# Altium PCB top_INA_v2.PcbDoc (part 1 of 4) (continued)
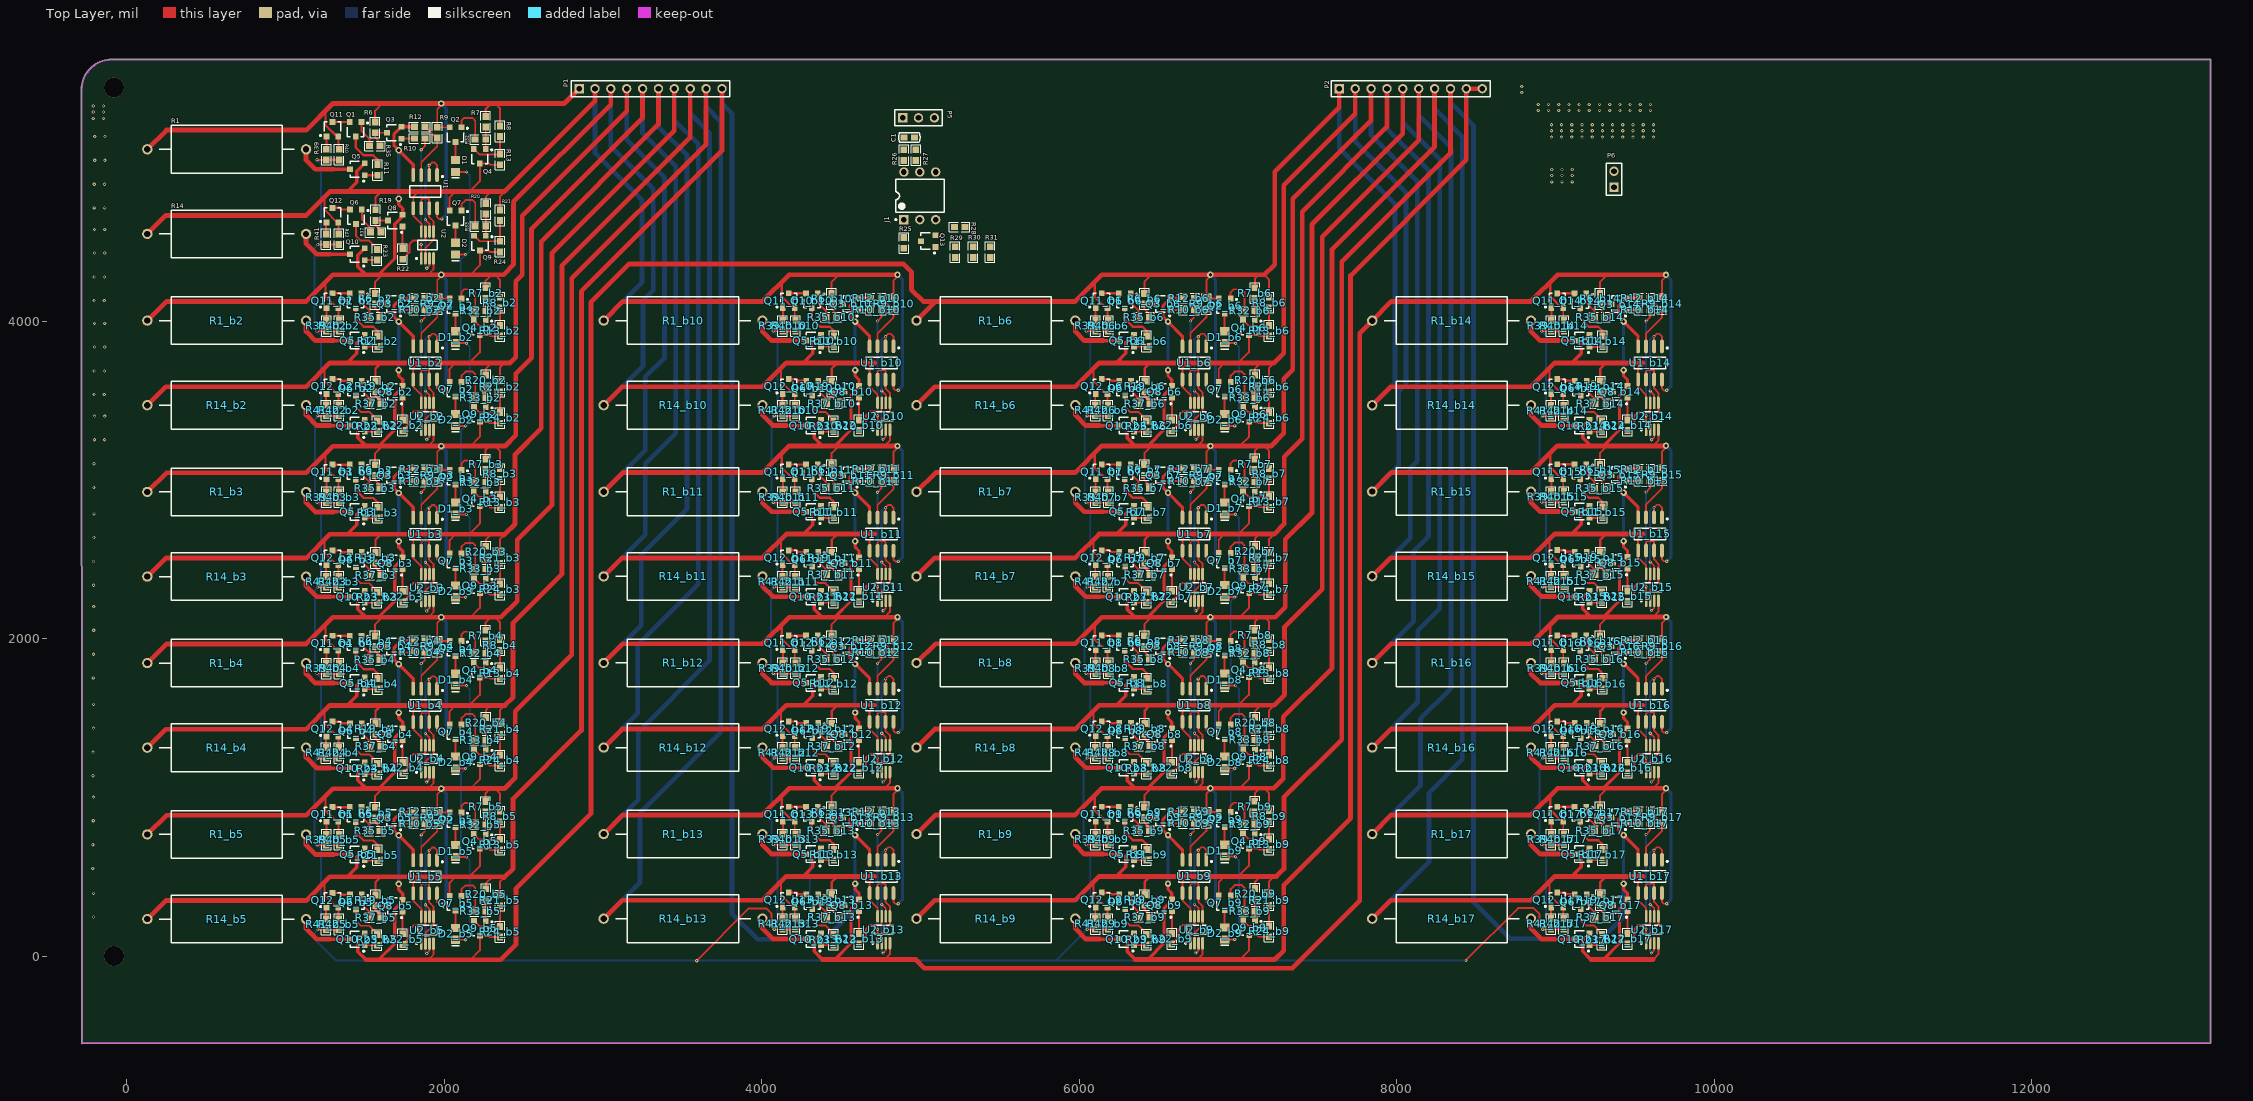
[diagram p0: Top Layer view]
## Components (designator, comment, footprint, x,y, rotation, side; value= is the part's Value field where it differs from the comment) (continued)
Q7_b7 "MMBT5400" SOT23-3 6915.87,2492.54 r180 top (schematic designator Q7)
Q7_b8 "MMBT5400" SOT23-3 6915.87,1414.54 r180 top (schematic designator Q7)
Q7_b9 "MMBT5400" SOT23-3 6915.87,336.54 r180 top (schematic designator Q7)
Q8 "MMBT3904" SOT23-3 1692.87,4633.54 r90 top
Q8_b2 "MMBT3904" SOT23-3 1692.87,3554.54 r90 top (schematic designator Q8)
Q8_b3 "MMBT3904" SOT23-3 1692.87,2475.54 r90 top (schematic designator Q8)
Q8_b4 "MMBT3904" SOT23-3 1692.87,1397.54 r90 top (schematic designator Q8)
Q8_b5 "MMBT3904" SOT23-3 1692.87,318.54 r90 top (schematic designator Q8)
Q8_b6 "MMBT3904" SOT23-3 6536.87,3554.54 r90 top (schematic designator Q8)
Q8_b7 "MMBT3904" SOT23-3 6536.87,2476.54 r90 top (schematic designator Q8)
Q8_b8 "MMBT3904" SOT23-3 6536.87,1398.54 r90 top (schematic designator Q8)
Q8_b9 "MMBT3904" SOT23-3 6536.87,320.54 r90 top (schematic designator Q8)
Q8_b10 "MMBT3904" SOT23-3 4566.87,3554.54 r90 top (schematic designator Q8)
Q8_b11 "MMBT3904" SOT23-3 4566.87,2476.54 r90 top (schematic designator Q8)
Q8_b12 "MMBT3904" SOT23-3 4566.87,1398.54 r90 top (schematic designator Q8)
Q8_b13 "MMBT3904" SOT23-3 4566.87,320.54 r90 top (schematic designator Q8)
Q8_b14 "MMBT3904" SOT23-3 9406.87,3554.28 r90 top (schematic designator Q8)
Q8_b15 "MMBT3904" SOT23-3 9406.87,2477.54 r90 top (schematic designator Q8)
Q8_b16 "MMBT3904" SOT23-3 9406.87,1398.54 r90 top (schematic designator Q8)
Q8_b17 "MMBT3904" SOT23-3 9406.87,320.54 r90 top (schematic designator Q8)
Q9 "TL431" SOT23-3 2225.87,4491.54 r180 top
Q9_b2 "TL431" SOT23-3 2225.87,3412.54 r180 top (schematic designator Q9)
Q9_b3 "TL431" SOT23-3 2225.87,2333.54 r180 top (schematic designator Q9)
Q9_b4 "TL431" SOT23-3 2225.87,1255.54 r180 top (schematic designator Q9)
Q9_b5 "TL431" SOT23-3 2225.87,176.54 r180 top (schematic designator Q9)
Q9_b6 "TL431" SOT23-3 7069.87,3412.54 r180 top (schematic designator Q9)
Q9_b7 "TL431" SOT23-3 7069.87,2334.54 r180 top (schematic designator Q9)
Q9_b8 "TL431" SOT23-3 7069.87,1256.54 r180 top (schematic designator Q9)
Q9_b9 "TL431" SOT23-3 7069.87,178.54 r180 top (schematic designator Q9)
Q10 "MOSFET-N" SOT23-3 1453.87,4421.54 r90 top
Q10_b2 "MOSFET-N" SOT23-3 1453.87,3342.54 r90 top (schematic designator Q10)
Q10_b3 "MOSFET-N" SOT23-3 1453.87,2263.54 r90 top (schematic designator Q10)
Q10_b4 "MOSFET-N" SOT23-3 1453.87,1185.54 r90 top (schematic designator Q10)
Q10_b5 "MOSFET-N" SOT23-3 1453.87,106.54 r90 top (schematic designator Q10)
Q10_b6 "MOSFET-N" SOT23-3 6297.87,3342.54 r90 top (schematic designator Q10)
Q10_b7 "MOSFET-N" SOT23-3 6297.87,2264.54 r90 top (schematic designator Q10)
Q10_b8 "MOSFET-N" SOT23-3 6297.87,1186.54 r90 top (schematic designator Q10)
Q10_b9 "MOSFET-N" SOT23-3 6297.87,108.54 r90 top (schematic designator Q10)
Q10_b10 "MOSFET-N" SOT23-3 4327.87,3342.54 r90 top (schematic designator Q10)
Q10_b11 "MOSFET-N" SOT23-3 4327.87,2264.54 r90 top (schematic designator Q10)
Q10_b12 "MOSFET-N" SOT23-3 4327.87,1186.54 r90 top (schematic designator Q10)
Q10_b13 "MOSFET-N" SOT23-3 4327.87,108.54 r90 top (schematic designator Q10)
Q10_b14 "MOSFET-N" SOT23-3 9167.87,3342.28 r90 top (schematic designator Q10)
Q10_b15 "MOSFET-N" SOT23-3 9167.87,2265.54 r90 top (schematic designator Q10)
Q10_b16 "MOSFET-N" SOT23-3 9167.87,1186.54 r90 top (schematic designator Q10)
Q10_b17 "MOSFET-N" SOT23-3 9167.87,108.54 r90 top (schematic designator Q10)
Q11 "MMBT3906" SOT23-3 1297,5208.26 r0 top
Q11_b2 "MMBT3906" SOT23-3 1297,4129.26 r0 top (schematic designator Q11)
Q11_b3 "MMBT3906" SOT23-3 1297,3050.26 r0 top (schematic designator Q11)
Q11_b4 "MMBT3906" SOT23-3 1297,1972.26 r0 top (schematic designator Q11)
Q11_b5 "MMBT3906" SOT23-3 1297,893.26 r0 top (schematic designator Q11)
Q11_b6 "MMBT3906" SOT23-3 6141,4129.26 r0 top (schematic designator Q11)
Q11_b7 "MMBT3906" SOT23-3 6141,3051.26 r0 top (schematic designator Q11)
Q11_b8 "MMBT3906" SOT23-3 6141,1973.26 r0 top (schematic designator Q11)
Q11_b9 "MMBT3906" SOT23-3 6141,895.26 r0 top (schematic designator Q11)
Q11_b10 "MMBT3906" SOT23-3 4171,4129.26 r0 top (schematic designator Q11)
Q11_b11 "MMBT3906" SOT23-3 4171,3051.26 r0 top (schematic designator Q11)
Q11_b12 "MMBT3906" SOT23-3 4171,1973.26 r0 top (schematic designator Q11)
Q11_b13 "MMBT3906" SOT23-3 4171,895.26 r0 top (schematic designator Q11)
Q11_b14 "MMBT3906" SOT23-3 9011,4129 r0 top (schematic designator Q11)
Q11_b15 "MMBT3906" SOT23-3 9011,3052.26 r0 top (schematic designator Q11)
Q11_b16 "MMBT3906" SOT23-3 9011,1973.26 r0 top (schematic designator Q11)
Q11_b17 "MMBT3906" SOT23-3 9011,895.26 r0 top (schematic designator Q11)
Q12 "MMBT3906" SOT23-3 1297,4667.26 r0 top
Q12_b2 "MMBT3906" SOT23-3 1297,3588.26 r0 top (schematic designator Q12)
Q12_b3 "MMBT3906" SOT23-3 1297,2509.26 r0 top (schematic designator Q12)
Q12_b4 "MMBT3906" SOT23-3 1297,1431.26 r0 top (schematic designator Q12)
Q12_b5 "MMBT3906" SOT23-3 1297,352.26 r0 top (schematic designator Q12)
Q12_b6 "MMBT3906" SOT23-3 6141,3588.26 r0 top (schematic designator Q12)
Q12_b7 "MMBT3906" SOT23-3 6141,2510.26 r0 top (schematic designator Q12)
Q12_b8 "MMBT3906" SOT23-3 6141,1432.26 r0 top (schematic designator Q12)
Q12_b9 "MMBT3906" SOT23-3 6141,354.26 r0 top (schematic designator Q12)
Q12_b10 "MMBT3906" SOT23-3 4171,3588.26 r0 top (schematic designator Q12)
Q12_b11 "MMBT3906" SOT23-3 4171,2510.26 r0 top (schematic designator Q12)
Q12_b12 "MMBT3906" SOT23-3 4171,1432.26 r0 top (schematic designator Q12)
Q12_b13 "MMBT3906" SOT23-3 4171,354.26 r0 top (schematic designator Q12)
Q12_b14 "MMBT3906" SOT23-3 9011,3588 r0 top (schematic designator Q12)
Q12_b15 "MMBT3906" SOT23-3 9011,2511.26 r0 top (schematic designator Q12)
Q12_b16 "MMBT3906" SOT23-3 9011,1432.26 r0 top (schematic designator Q12)
Q12_b17 "MMBT3906" SOT23-3 9011,354.26 r0 top (schematic designator Q12)
Q13 "NPN" SOT23-3 5049,4504 r90 top
R1 "Res1" AXIAL-1.0 631,5082.26 r180 top
R1_b2 "Res1" AXIAL-1.0 631,4003.26 r180 top (schematic designator R1)
R1_b3 "Res1" AXIAL-1.0 631,2924.26 r180 top (schematic designator R1)
R1_b4 "Res1" AXIAL-1.0 631,1846.26 r180 top (schematic designator R1)
R1_b5 "Res1" AXIAL-1.0 631,767.26 r180 top (schematic designator R1)
R1_b6 "Res1" AXIAL-1.0 5475,4003.26 r180 top (schematic designator R1)
R1_b7 "Res1" AXIAL-1.0 5475,2925.26 r180 top (schematic designator R1)
R1_b8 "Res1" AXIAL-1.0 5475,1847.26 r180 top (schematic designator R1)
R1_b9 "Res1" AXIAL-1.0 5475,769.26 r180 top (schematic designator R1)
R1_b10 "Res1" AXIAL-1.0 3505,4003.26 r180 top (schematic designator R1)
R1_b11 "Res1" AXIAL-1.0 3505,2925.26 r180 top (schematic designator R1)
R1_b12 "Res1" AXIAL-1.0 3505,1847.26 r180 top (schematic designator R1)
R1_b13 "Res1" AXIAL-1.0 3505,769.26 r180 top (schematic designator R1)
R1_b14 "Res1" AXIAL-1.0 8345,4003 r180 top (schematic designator R1)
R1_b15 "Res1" AXIAL-1.0 8345,2926.26 r180 top (schematic designator R1)
R1_b16 "Res1" AXIAL-1.0 8345,1847.26 r180 top (schematic designator R1)
R1_b17 "Res1" AXIAL-1.0 8345,769.26 r180 top (schematic designator R1)
R6 "Res1" 0603-1 1565.87,5220 r90 top
R6_b2 "Res1" 0603-1 1565.87,4141 r90 top (schematic designator R6)
R6_b3 "Res1" 0603-1 1565.87,3062 r90 top (schematic designator R6)
R6_b4 "Res1" 0603-1 1565.87,1984 r90 top (schematic designator R6)
R6_b5 "Res1" 0603-1 1565.87,905 r90 top (schematic designator R6)
R6_b6 "Res1" 0603-1 6409.87,4141 r90 top (schematic designator R6)
R6_b7 "Res1" 0603-1 6409.87,3063 r90 top (schematic designator R6)
R6_b8 "Res1" 0603-1 6409.87,1985 r90 top (schematic designator R6)
R6_b9 "Res1" 0603-1 6409.87,907 r90 top (schematic designator R6)
R6_b10 "Res1" 0603-1 4439.87,4141 r90 top (schematic designator R6)
R6_b11 "Res1" 0603-1 4439.87,3063 r90 top (schematic designator R6)
R6_b12 "Res1" 0603-1 4439.87,1985 r90 top (schematic designator R6)
R6_b13 "Res1" 0603-1 4439.87,907 r90 top (schematic designator R6)
R6_b14 "Res1" 0603-1 9279.87,4140.74 r90 top (schematic designator R6)
R6_b15 "Res1" 0603-1 9279.87,3064 r90 top (schematic designator R6)
R6_b16 "Res1" 0603-1 9279.87,1985 r90 top (schematic designator R6)
R6_b17 "Res1" 0603-1 9279.87,907 r90 top (schematic designator R6)
R7 "Res1" 0603-1 2262,5256 r90 top
R7_b2 "Res1" 0603-1 2262,4177 r90 top (schematic designator R7)
R7_b3 "Res1" 0603-1 2262,3098 r90 top (schematic designator R7)
R7_b4 "Res1" 0603-1 2262,2020 r90 top (schematic designator R7)
R7_b5 "Res1" 0603-1 2262,941 r90 top (schematic designator R7)
R7_b6 "Res1" 0603-1 7106,4177 r90 top (schematic designator R7)
R7_b7 "Res1" 0603-1 7106,3099 r90 top (schematic designator R7)
R7_b8 "Res1" 0603-1 7106,2021 r90 top (schematic designator R7)
R7_b9 "Res1" 0603-1 7106,943 r90 top (schematic designator R7)
R8 "Res1" 0603-1 2351.87,5195.54 r90 top
R8_b2 "Res1" 0603-1 2351.87,4116.54 r90 top (schematic designator R8)
R8_b3 "Res1" 0603-1 2351.87,3037.54 r90 top (schematic designator R8)
R8_b4 "Res1" 0603-1 2351.87,1959.54 r90 top (schematic designator R8)
R8_b5 "Res1" 0603-1 2351.87,880.54 r90 top (schematic designator R8)
R8_b6 "Res1" 0603-1 7195.87,4116.54 r90 top (schematic designator R8)
R8_b7 "Res1" 0603-1 7195.87,3038.54 r90 top (schematic designator R8)
R8_b8 "Res1" 0603-1 7195.87,1960.54 r90 top (schematic designator R8)
R8_b9 "Res1" 0603-1 7195.87,882.54 r90 top (schematic designator R8)
R9 "Res1" 0603-1 1956.87,5187.54 r90 top
R9_b2 "Res1" 0603-1 1956.87,4108.54 r90 top (schematic designator R9)
R9_b3 "Res1" 0603-1 1956.87,3029.54 r90 top (schematic designator R9)
R9_b4 "Res1" 0603-1 1956.87,1951.54 r90 top (schematic designator R9)
R9_b5 "Res1" 0603-1 1956.87,872.54 r90 top (schematic designator R9)
R9_b6 "Res1" 0603-1 6800.87,4108.54 r90 top (schematic designator R9)
R9_b7 "Res1" 0603-1 6800.87,3030.54 r90 top (schematic designator R9)
R9_b8 "Res1" 0603-1 6800.87,1952.54 r90 top (schematic designator R9)
R9_b9 "Res1" 0603-1 6800.87,874.54 r90 top (schematic designator R9)
R9_b10 "Res1" 0603-1 4830.87,4108.54 r90 top (schematic designator R9)
R9_b11 "Res1" 0603-1 4830.87,3030.54 r90 top (schematic designator R9)
R9_b12 "Res1" 0603-1 4830.87,1952.54 r90 top (schematic designator R9)
R9_b13 "Res1" 0603-1 4830.87,874.54 r90 top (schematic designator R9)
R9_b14 "Res1" 0603-1 9670.87,4108.28 r90 top (schematic designator R9)
R9_b15 "Res1" 0603-1 9670.87,3031.54 r90 top (schematic designator R9)
R9_b16 "Res1" 0603-1 9670.87,1952.54 r90 top (schematic designator R9)
R9_b17 "Res1" 0603-1 9670.87,874.54 r90 top (schematic designator R9)
R10 "Res1" 0603-1 1846.73,5149.94 r0 top
R10_b2 "Res1" 0603-1 1846.73,4070.94 r0 top (schematic designator R10)
R10_b3 "Res1" 0603-1 1846.73,2991.94 r0 top (schematic designator R10)
R10_b4 "Res1" 0603-1 1846.73,1913.94 r0 top (schematic designator R10)
R10_b5 "Res1" 0603-1 1846.73,834.94 r0 top (schematic designator R10)
R10_b6 "Res1" 0603-1 6690.73,4070.94 r0 top (schematic designator R10)
R10_b7 "Res1" 0603-1 6690.73,2992.94 r0 top (schematic designator R10)
R10_b8 "Res1" 0603-1 6690.73,1914.94 r0 top (schematic designator R10)
R10_b9 "Res1" 0603-1 6690.73,836.94 r0 top (schematic designator R10)
R10_b10 "Res1" 0603-1 4720.73,4070.94 r0 top (schematic designator R10)
R10_b11 "Res1" 0603-1 4720.73,2992.94 r0 top (schematic designator R10)
R10_b12 "Res1" 0603-1 4720.73,1914.94 r0 top (schematic designator R10)
R10_b13 "Res1" 0603-1 4720.73,836.94 r0 top (schematic designator R10)
R10_b14 "Res1" 0603-1 9560.73,4070.68 r0 top (schematic designator R10)
R10_b15 "Res1" 0603-1 9560.73,2993.94 r0 top (schematic designator R10)
R10_b16 "Res1" 0603-1 9560.73,1914.94 r0 top (schematic designator R10)
R10_b17 "Res1" 0603-1 9560.73,836.94 r0 top (schematic designator R10)
R11 "Res1" 0603-1 1581,4952.26 r90 top
R11_b2 "Res1" 0603-1 1581,3873.26 r90 top (schematic designator R11)
R11_b3 "Res1" 0603-1 1581,2794.26 r90 top (schematic designator R11)
R11_b4 "Res1" 0603-1 1581,1716.26 r90 top (schematic designator R11)
R11_b5 "Res1" 0603-1 1581,637.26 r90 top (schematic designator R11)
R11_b6 "Res1" 0603-1 6425,3873.26 r90 top (schematic designator R11)
R11_b7 "Res1" 0603-1 6425,2795.26 r90 top (schematic designator R11)
R11_b8 "Res1" 0603-1 6425,1717.26 r90 top (schematic designator R11)
R11_b9 "Res1" 0603-1 6425,639.26 r90 top (schematic designator R11)
R11_b10 "Res1" 0603-1 4455,3873.26 r90 top (schematic designator R11)
R11_b11 "Res1" 0603-1 4455,2795.26 r90 top (schematic designator R11)
R11_b12 "Res1" 0603-1 4455,1717.26 r90 top (schematic designator R11)
R11_b13 "Res1" 0603-1 4455,639.26 r90 top (schematic designator R11)
R11_b14 "Res1" 0603-1 9295,3873 r90 top (schematic designator R11)
R11_b15 "Res1" 0603-1 9295,2796.26 r90 top (schematic designator R11)
R11_b16 "Res1" 0603-1 9295,1717.26 r90 top (schematic designator R11)
R11_b17 "Res1" 0603-1 9295,639.26 r90 top (schematic designator R11)
R12 "Res1" 0603-1 1846.73,5223.94 r0 top
R12_b2 "Res1" 0603-1 1846.73,4144.94 r0 top (schematic designator R12)
R12_b3 "Res1" 0603-1 1846.73,3065.94 r0 top (schematic designator R12)
R12_b4 "Res1" 0603-1 1846.73,1987.94 r0 top (schematic designator R12)
R12_b5 "Res1" 0603-1 1846.73,908.94 r0 top (schematic designator R12)
R12_b6 "Res1" 0603-1 6690.73,4144.94 r0 top (schematic designator R12)
R12_b7 "Res1" 0603-1 6690.73,3066.94 r0 top (schematic designator R12)
R12_b8 "Res1" 0603-1 6690.73,1988.94 r0 top (schematic designator R12)
R12_b9 "Res1" 0603-1 6690.73,910.94 r0 top (schematic designator R12)
R12_b10 "Res1" 0603-1 4720.73,4144.94 r0 top (schematic designator R12)
R12_b11 "Res1" 0603-1 4720.73,3066.94 r0 top (schematic designator R12)
R12_b12 "Res1" 0603-1 4720.73,1988.94 r0 top (schematic designator R12)
R12_b13 "Res1" 0603-1 4720.73,910.94 r0 top (schematic designator R12)
R12_b14 "Res1" 0603-1 9560.73,4144.68 r0 top (schematic designator R12)
R12_b15 "Res1" 0603-1 9560.73,3067.94 r0 top (schematic designator R12)
R12_b16 "Res1" 0603-1 9560.73,1988.94 r0 top (schematic designator R12)
R12_b17 "Res1" 0603-1 9560.73,910.94 r0 top (schematic designator R12)
R13 "Res1" 0603-1 2351.87,5018.54 r90 top
R13_b2 "Res1" 0603-1 2351.87,3939.54 r90 top (schematic designator R13)
R13_b3 "Res1" 0603-1 2351.87,2860.54 r90 top (schematic designator R13)
R13_b4 "Res1" 0603-1 2351.87,1782.54 r90 top (schematic designator R13)
R13_b5 "Res1" 0603-1 2351.87,703.54 r90 top (schematic designator R13)
R13_b6 "Res1" 0603-1 7195.87,3939.54 r90 top (schematic designator R13)
R13_b7 "Res1" 0603-1 7195.87,2861.54 r90 top (schematic designator R13)
R13_b8 "Res1" 0603-1 7195.87,1783.54 r90 top (schematic designator R13)
R13_b9 "Res1" 0603-1 7195.87,705.54 r90 top (schematic designator R13)
R14 "Res1" AXIAL-1.0 631,4549.26 r180 top
R14_b2 "Res1" AXIAL-1.0 631,3470.26 r180 top (schematic designator R14)
R14_b3 "Res1" AXIAL-1.0 631,2391.26 r180 top (schematic designator R14)
R14_b4 "Res1" AXIAL-1.0 631,1313.26 r180 top (schematic designator R14)
R14_b5 "Res1" AXIAL-1.0 631,234.26 r180 top (schematic designator R14)
R14_b6 "Res1" AXIAL-1.0 5475,3470.26 r180 top (schematic designator R14)
R14_b7 "Res1" AXIAL-1.0 5475,2392.26 r180 top (schematic designator R14)
R14_b8 "Res1" AXIAL-1.0 5475,1314.26 r180 top (schematic designator R14)
R14_b9 "Res1" AXIAL-1.0 5475,236.26 r180 top (schematic designator R14)
R14_b10 "Res1" AXIAL-1.0 3505,3470.26 r180 top (schematic designator R14)
R14_b11 "Res1" AXIAL-1.0 3505,2392.26 r180 top (schematic designator R14)
R14_b12 "Res1" AXIAL-1.0 3505,1314.26 r180 top (schematic designator R14)
R14_b13 "Res1" AXIAL-1.0 3505,236.26 r180 top (schematic designator R14)
R14_b14 "Res1" AXIAL-1.0 8345,3470 r180 top (schematic designator R14)
R14_b15 "Res1" AXIAL-1.0 8345,2393.26 r180 top (schematic designator R14)
R14_b16 "Res1" AXIAL-1.0 8345,1314.26 r180 top (schematic designator R14)
R14_b17 "Res1" AXIAL-1.0 8345,236.26 r180 top (schematic designator R14)
R19 "Res1" 0603-1 1567.87,4667.54 r90 top
R19_b2 "Res1" 0603-1 1567.87,3588.54 r90 top (schematic designator R19)
R19_b3 "Res1" 0603-1 1567.87,2509.54 r90 top (schematic designator R19)
R19_b4 "Res1" 0603-1 1567.87,1431.54 r90 top (schematic designator R19)
R19_b5 "Res1" 0603-1 1567.87,352.54 r90 top (schematic designator R19)
R19_b6 "Res1" 0603-1 6411.87,3588.54 r90 top (schematic designator R19)
R19_b7 "Res1" 0603-1 6411.87,2510.54 r90 top (schematic designator R19)
R19_b8 "Res1" 0603-1 6411.87,1432.54 r90 top (schematic designator R19)
R19_b9 "Res1" 0603-1 6411.87,354.54 r90 top (schematic designator R19)
R19_b10 "Res1" 0603-1 4441.87,3588.54 r90 top (schematic designator R19)
R19_b11 "Res1" 0603-1 4441.87,2510.54 r90 top (schematic designator R19)
R19_b12 "Res1" 0603-1 4441.87,1432.54 r90 top (schematic designator R19)
R19_b13 "Res1" 0603-1 4441.87,354.54 r90 top (schematic designator R19)
R19_b14 "Res1" 0603-1 9281.87,3588.28 r90 top (schematic designator R19)
R19_b15 "Res1" 0603-1 9281.87,2511.54 r90 top (schematic designator R19)
R19_b16 "Res1" 0603-1 9281.87,1432.54 r90 top (schematic designator R19)
R19_b17 "Res1" 0603-1 9281.87,354.54 r90 top (schematic designator R19)
R20 "Res1" 0603-1 2263,4707 r90 top
R20_b2 "Res1" 0603-1 2263,3628 r90 top (schematic designator R20)
R20_b3 "Res1" 0603-1 2263,2549 r90 top (schematic designator R20)
R20_b4 "Res1" 0603-1 2263,1471 r90 top (schematic designator R20)
R20_b5 "Res1" 0603-1 2263,392 r90 top (schematic designator R20)
R20_b6 "Res1" 0603-1 7107,3628 r90 top (schematic designator R20)
R20_b7 "Res1" 0603-1 7107,2550 r90 top (schematic designator R20)
R20_b8 "Res1" 0603-1 7107,1472 r90 top (schematic designator R20)
R20_b9 "Res1" 0603-1 7107,394 r90 top (schematic designator R20)
R21 "Res1" 0603-1 2351.87,4666.54 r90 top
R21_b2 "Res1" 0603-1 2351.87,3587.54 r90 top (schematic designator R21)
R21_b3 "Res1" 0603-1 2351.87,2508.54 r90 top (schematic designator R21)
R21_b4 "Res1" 0603-1 2351.87,1430.54 r90 top (schematic designator R21)
R21_b5 "Res1" 0603-1 2351.87,351.54 r90 top (schematic designator R21)
R21_b6 "Res1" 0603-1 7195.87,3587.54 r90 top (schematic designator R21)
R21_b7 "Res1" 0603-1 7195.87,2509.54 r90 top (schematic designator R21)
R21_b8 "Res1" 0603-1 7195.87,1431.54 r90 top (schematic designator R21)
R21_b9 "Res1" 0603-1 7195.87,353.54 r90 top (schematic designator R21)
R22 "Res1" 0603-1 1739,4423.26 r90 top
R22_b2 "Res1" 0603-1 1739,3344.26 r90 top (schematic designator R22)
R22_b3 "Res1" 0603-1 1739,2265.26 r90 top (schematic designator R22)
R22_b4 "Res1" 0603-1 1739,1187.26 r90 top (schematic designator R22)
R22_b5 "Res1" 0603-1 1739,108.26 r90 top (schematic designator R22)
R22_b6 "Res1" 0603-1 6583,3344.26 r90 top (schematic designator R22)
R22_b7 "Res1" 0603-1 6583,2266.26 r90 top (schematic designator R22)
R22_b8 "Res1" 0603-1 6583,1188.26 r90 top (schematic designator R22)
R22_b9 "Res1" 0603-1 6583,110.26 r90 top (schematic designator R22)
R22_b10 "Res1" 0603-1 4613,3344.26 r90 top (schematic designator R22)
R22_b11 "Res1" 0603-1 4613,2266.26 r90 top (schematic designator R22)
R22_b12 "Res1" 0603-1 4613,1188.26 r90 top (schematic designator R22)
R22_b13 "Res1" 0603-1 4613,110.26 r90 top (schematic designator R22)
R22_b14 "Res1" 0603-1 9453,3344 r90 top (schematic designator R22)
R22_b15 "Res1" 0603-1 9453,2267.26 r90 top (schematic designator R22)
R22_b16 "Res1" 0603-1 9453,1188.26 r90 top (schematic designator R22)
R22_b17 "Res1" 0603-1 9453,110.26 r90 top (schematic designator R22)
R23 "Res1" 0603-1 1578.25,4417.54 r90 top
R23_b2 "Res1" 0603-1 1578.25,3338.54 r90 top (schematic designator R23)
R23_b3 "Res1" 0603-1 1578.25,2259.54 r90 top (schematic designator R23)
R23_b4 "Res1" 0603-1 1578.25,1181.54 r90 top (schematic designator R23)
R23_b5 "Res1" 0603-1 1578.25,102.54 r90 top (schematic designator R23)
R23_b6 "Res1" 0603-1 6422.25,3338.54 r90 top (schematic designator R23)
R23_b7 "Res1" 0603-1 6422.25,2260.54 r90 top (schematic designator R23)
R23_b8 "Res1" 0603-1 6422.25,1182.54 r90 top (schematic designator R23)
R23_b9 "Res1" 0603-1 6422.25,104.54 r90 top (schematic designator R23)
R23_b10 "Res1" 0603-1 4452.25,3338.54 r90 top (schematic designator R23)
R23_b11 "Res1" 0603-1 4452.25,2260.54 r90 top (schematic designator R23)
R23_b12 "Res1" 0603-1 4452.25,1182.54 r90 top (schematic designator R23)
R23_b13 "Res1" 0603-1 4452.25,104.54 r90 top (schematic designator R23)
R23_b14 "Res1" 0603-1 9292.25,3338.28 r90 top (schematic designator R23)
R23_b15 "Res1" 0603-1 9292.25,2261.54 r90 top (schematic designator R23)
R23_b16 "Res1" 0603-1 9292.25,1182.54 r90 top (schematic designator R23)
R23_b17 "Res1" 0603-1 9292.25,104.54 r90 top (schematic designator R23)
R24 "Res1" 0603-1 2351.87,4469.54 r90 top
R24_b2 "Res1" 0603-1 2351.87,3390.54 r90 top (schematic designator R24)
R24_b3 "Res1" 0603-1 2351.87,2311.54 r90 top (schematic designator R24)
R24_b4 "Res1" 0603-1 2351.87,1233.54 r90 top (schematic designator R24)
R24_b5 "Res1" 0603-1 2351.87,154.54 r90 top (schematic designator R24)
R24_b6 "Res1" 0603-1 7195.87,3390.54 r90 top (schematic designator R24)
R24_b7 "Res1" 0603-1 7195.87,2312.54 r90 top (schematic designator R24)
R24_b8 "Res1" 0603-1 7195.87,1234.54 r90 top (schematic designator R24)
R24_b9 "Res1" 0603-1 7195.87,156.54 r90 top (schematic designator R24)
R25 "Res1" 0603-1 4895,4492 r90 top
R26 "Res1" 0603-1 4895,5046 r90 top
R27 "Res1" 0603-1 4971,5046 r90 top
R28 "Res1" 0603-1 5247,4593 r0 top
R29 "Res1" 0603-1 5219,4435 r90 top
R30 "Res1" 0603-1 5332,4435 r90 top
R31 "Res1" 0603-1 5439,4435 r90 top
R32 "Res1" 0603-1 2229,5144 r180 top
R32_b2 "Res1" 0603-1 2229,4065 r180 top (schematic designator R32)
R32_b3 "Res1" 0603-1 2229,2986 r180 top (schematic designator R32)
R32_b4 "Res1" 0603-1 2229,1908 r180 top (schematic designator R32)
R32_b5 "Res1" 0603-1 2229,829 r180 top (schematic designator R32)
R32_b6 "Res1" 0603-1 7073,4065 r180 top (schematic designator R32)
R32_b7 "Res1" 0603-1 7073,2987 r180 top (schematic designator R32)
R32_b8 "Res1" 0603-1 7073,1909 r180 top (schematic designator R32)
R32_b9 "Res1" 0603-1 7073,831 r180 top (schematic designator R32)
R33 "Res1" 0603-1 2229,4597 r180 top
R33_b2 "Res1" 0603-1 2229,3518 r180 top (schematic designator R33)
R33_b3 "Res1" 0603-1 2229,2439 r180 top (schematic designator R33)
R33_b4 "Res1" 0603-1 2229,1361 r180 top (schematic designator R33)
R33_b5 "Res1" 0603-1 2229,282 r180 top (schematic designator R33)
R33_b6 "Res1" 0603-1 7073,3518 r180 top (schematic designator R33)
R33_b7 "Res1" 0603-1 7073,2440 r180 top (schematic designator R33)
R33_b8 "Res1" 0603-1 7073,1362 r180 top (schematic designator R33)
R33_b9 "Res1" 0603-1 7073,284 r180 top (schematic designator R33)
R35 "Res1" 0603-1 1563.87,5104 r180 top
R35_b2 "Res1" 0603-1 1563.87,4025 r180 top (schematic designator R35)
R35_b3 "Res1" 0603-1 1563.87,2946 r180 top (schematic designator R35)
R35_b4 "Res1" 0603-1 1563.87,1868 r180 top (schematic designator R35)
R35_b5 "Res1" 0603-1 1563.87,789 r180 top (schematic designator R35)
R35_b6 "Res1" 0603-1 6407.87,4025 r180 top (schematic designator R35)
R35_b7 "Res1" 0603-1 6407.87,2947 r180 top (schematic designator R35)
R35_b8 "Res1" 0603-1 6407.87,1869 r180 top (schematic designator R35)
R35_b9 "Res1" 0603-1 6407.87,791 r180 top (schematic designator R35)
R35_b10 "Res1" 0603-1 4437.87,4025 r180 top (schematic designator R35)
R35_b11 "Res1" 0603-1 4437.87,2947 r180 top (schematic designator R35)
R35_b12 "Res1" 0603-1 4437.87,1869 r180 top (schematic designator R35)
R35_b13 "Res1" 0603-1 4437.87,791 r180 top (schematic designator R35)
R35_b14 "Res1" 0603-1 9277.87,4024.74 r180 top (schematic designator R35)
R35_b15 "Res1" 0603-1 9277.87,2948 r180 top (schematic designator R35)
R35_b16 "Res1" 0603-1 9277.87,1869 r180 top (schematic designator R35)
R35_b17 "Res1" 0603-1 9277.87,791 r180 top (schematic designator R35)
R37 "Res1" 0603-1 1568.87,4559 r180 top
R37_b2 "Res1" 0603-1 1568.87,3480 r180 top (schematic designator R37)
R37_b3 "Res1" 0603-1 1568.87,2401 r180 top (schematic designator R37)
R37_b4 "Res1" 0603-1 1568.87,1323 r180 top (schematic designator R37)
R37_b5 "Res1" 0603-1 1568.87,244 r180 top (schematic designator R37)
R37_b6 "Res1" 0603-1 6412.87,3480 r180 top (schematic designator R37)
R37_b7 "Res1" 0603-1 6412.87,2402 r180 top (schematic designator R37)
R37_b8 "Res1" 0603-1 6412.87,1324 r180 top (schematic designator R37)
R37_b9 "Res1" 0603-1 6412.87,246 r180 top (schematic designator R37)
R37_b10 "Res1" 0603-1 4442.87,3480 r180 top (schematic designator R37)
R37_b11 "Res1" 0603-1 4442.87,2402 r180 top (schematic designator R37)
R37_b12 "Res1" 0603-1 4442.87,1324 r180 top (schematic designator R37)
R37_b13 "Res1" 0603-1 4442.87,246 r180 top (schematic designator R37)
R37_b14 "Res1" 0603-1 9282.87,3479.74 r180 top (schematic designator R37)
R37_b15 "Res1" 0603-1 9282.87,2403 r180 top (schematic designator R37)
R37_b16 "Res1" 0603-1 9282.87,1324 r180 top (schematic designator R37)
R37_b17 "Res1" 0603-1 9282.87,246 r180 top (schematic designator R37)
R39 "Res1" 0603-1 1258,5049.26 r90 top
R39_b2 "Res1" 0603-1 1258,3970.26 r90 top (schematic designator R39)
R39_b3 "Res1" 0603-1 1258,2891.26 r90 top (schematic designator R39)
R39_b4 "Res1" 0603-1 1258,1813.26 r90 top (schematic designator R39)
R39_b5 "Res1" 0603-1 1258,734.26 r90 top (schematic designator R39)
R39_b6 "Res1" 0603-1 6102,3970.26 r90 top (schematic designator R39)
R39_b7 "Res1" 0603-1 6102,2892.26 r90 top (schematic designator R39)
R39_b8 "Res1" 0603-1 6102,1814.26 r90 top (schematic designator R39)
R39_b9 "Res1" 0603-1 6102,736.26 r90 top (schematic designator R39)
R39_b10 "Res1" 0603-1 4132,3970.26 r90 top (schematic designator R39)
R39_b11 "Res1" 0603-1 4132,2892.26 r90 top (schematic designator R39)
R39_b12 "Res1" 0603-1 4132,1814.26 r90 top (schematic designator R39)
R39_b13 "Res1" 0603-1 4132,736.26 r90 top (schematic designator R39)
R39_b14 "Res1" 0603-1 8972,3970 r90 top (schematic designator R39)
R39_b15 "Res1" 0603-1 8972,2893.26 r90 top (schematic designator R39)
R39_b16 "Res1" 0603-1 8972,1814.26 r90 top (schematic designator R39)
R39_b17 "Res1" 0603-1 8972,736.26 r90 top (schematic designator R39)
R40 "Res1" 0603-1 1339,5049.26 r270 top
R40_b2 "Res1" 0603-1 1339,3970.26 r270 top (schematic designator R40)
R40_b3 "Res1" 0603-1 1339,2891.26 r270 top (schematic designator R40)
R40_b4 "Res1" 0603-1 1339,1813.26 r270 top (schematic designator R40)
R40_b5 "Res1" 0603-1 1339,734.26 r270 top (schematic designator R40)
R40_b6 "Res1" 0603-1 6183,3970.26 r270 top (schematic designator R40)
R40_b7 "Res1" 0603-1 6183,2892.26 r270 top (schematic designator R40)
R40_b8 "Res1" 0603-1 6183,1814.26 r270 top (schematic designator R40)
R40_b9 "Res1" 0603-1 6183,736.26 r270 top (schematic designator R40)
R40_b10 "Res1" 0603-1 4213,3970.26 r270 top (schematic designator R40)
R40_b11 "Res1" 0603-1 4213,2892.26 r270 top (schematic designator R40)
R40_b12 "Res1" 0603-1 4213,1814.26 r270 top (schematic designator R40)
R40_b13 "Res1" 0603-1 4213,736.26 r270 top (schematic designator R40)
R40_b14 "Res1" 0603-1 9053,3970 r270 top (schematic designator R40)
R40_b15 "Res1" 0603-1 9053,2893.26 r270 top (schematic designator R40)
R40_b16 "Res1" 0603-1 9053,1814.26 r270 top (schematic designator R40)
R40_b17 "Res1" 0603-1 9053,736.26 r270 top (schematic designator R40)
R41 "Res1" 0603-1 1257,4516.26 r270 top
R41_b2 "Res1" 0603-1 1257,3437.26 r270 top (schematic designator R41)
R41_b3 "Res1" 0603-1 1257,2358.26 r270 top (schematic designator R41)
R41_b4 "Res1" 0603-1 1257,1280.26 r270 top (schematic designator R41)
R41_b5 "Res1" 0603-1 1257,201.26 r270 top (schematic designator R41)
R41_b6 "Res1" 0603-1 6101,3437.26 r270 top (schematic designator R41)
R41_b7 "Res1" 0603-1 6101,2359.26 r270 top (schematic designator R41)
R41_b8 "Res1" 0603-1 6101,1281.26 r270 top (schematic designator R41)
R41_b9 "Res1" 0603-1 6101,203.26 r270 top (schematic designator R41)
R41_b10 "Res1" 0603-1 4131,3437.26 r270 top (schematic designator R41)
R41_b11 "Res1" 0603-1 4131,2359.26 r270 top (schematic designator R41)
R41_b12 "Res1" 0603-1 4131,1281.26 r270 top (schematic designator R41)
R41_b13 "Res1" 0603-1 4131,203.26 r270 top (schematic designator R41)
R41_b14 "Res1" 0603-1 8971,3437 r270 top (schematic designator R41)
R41_b15 "Res1" 0603-1 8971,2360.26 r270 top (schematic designator R41)
R41_b16 "Res1" 0603-1 8971,1281.26 r270 top (schematic designator R41)
R41_b17 "Res1" 0603-1 8971,203.26 r270 top (schematic designator R41)
R42 "Res1" 0603-1 1337,4516.26 r270 top
R42_b2 "Res1" 0603-1 1337,3437.26 r270 top (schematic designator R42)
R42_b3 "Res1" 0603-1 1337,2358.26 r270 top (schematic designator R42)
R42_b4 "Res1" 0603-1 1337,1280.26 r270 top (schematic designator R42)
R42_b5 "Res1" 0603-1 1337,201.26 r270 top (schematic designator R42)
R42_b6 "Res1" 0603-1 6181,3437.26 r270 top (schematic designator R42)
R42_b7 "Res1" 0603-1 6181,2359.26 r270 top (schematic designator R42)
R42_b8 "Res1" 0603-1 6181,1281.26 r270 top (schematic designator R42)
R42_b9 "Res1" 0603-1 6181,203.26 r270 top (schematic designator R42)
R42_b10 "Res1" 0603-1 4211,3437.26 r270 top (schematic designator R42)
R42_b11 "Res1" 0603-1 4211,2359.26 r270 top (schematic designator R42)
R42_b12 "Res1" 0603-1 4211,1281.26 r270 top (schematic designator R42)
R42_b13 "Res1" 0603-1 4211,203.26 r270 top (schematic designator R42)
R42_b14 "Res1" 0603-1 9051,3437 r270 top (schematic designator R42)
R42_b15 "Res1" 0603-1 9051,2360.26 r270 top (schematic designator R42)
R42_b16 "Res1" 0603-1 9051,1281.26 r270 top (schematic designator R42)
R42_b17 "Res1" 0603-1 9051,203.26 r270 top (schematic designator R42)
U1 "LM358" SOIC-8 1880.87,4815.54 r270 top
U1_b2 "LM358" SOIC-8 1880.87,3736.54 r270 top (schematic designator U1)
U1_b3 "LM358" SOIC-8 1880.87,2657.54 r270 top (schematic designator U1)
U1_b4 "LM358" SOIC-8 1880.87,1579.54 r270 top (schematic designator U1)
U1_b5 "LM358" SOIC-8 1880.87,500.54 r270 top (schematic designator U1)
U1_b6 "LM358" SOIC-8 6724.87,3736.54 r270 top (schematic designator U1)
U1_b7 "LM358" SOIC-8 6724.87,2658.54 r270 top (schematic designator U1)
U1_b8 "LM358" SOIC-8 6724.87,1580.54 r270 top (schematic designator U1)
U1_b9 "LM358" SOIC-8 6724.87,502.54 r270 top (schematic designator U1)
U1_b10 "LM358" SOIC-8 4754.87,3736.54 r270 top (schematic designator U1)
U1_b11 "LM358" SOIC-8 4754.87,2658.54 r270 top (schematic designator U1)
U1_b12 "LM358" SOIC-8 4754.87,1580.54 r270 top (schematic designator U1)
U1_b13 "LM358" SOIC-8 4754.87,502.54 r270 top (schematic designator U1)
U1_b14 "LM358" SOIC-8 9594.87,3736.28 r270 top (schematic designator U1)
U1_b15 "LM358" SOIC-8 9594.87,2659.54 r270 top (schematic designator U1)
U1_b16 "LM358" SOIC-8 9594.87,1580.54 r270 top (schematic designator U1)
U1_b17 "LM358" SOIC-8 9594.87,502.54 r270 top (schematic designator U1)
U2 "INA2180" MSOP-8 1894.87,4479.54 r90 top
U2_b2 "INA2180" MSOP-8 1894.87,3400.54 r90 top (schematic designator U2)
U2_b3 "INA2180" MSOP-8 1894.87,2321.54 r90 top (schematic designator U2)
U2_b4 "INA2180" MSOP-8 1894.87,1243.54 r90 top (schematic designator U2)
U2_b5 "INA2180" MSOP-8 1894.87,164.54 r90 top (schematic designator U2)